# Altium PCB Module Board - OLD.PcbDoc (part 3 of 4) (continued)
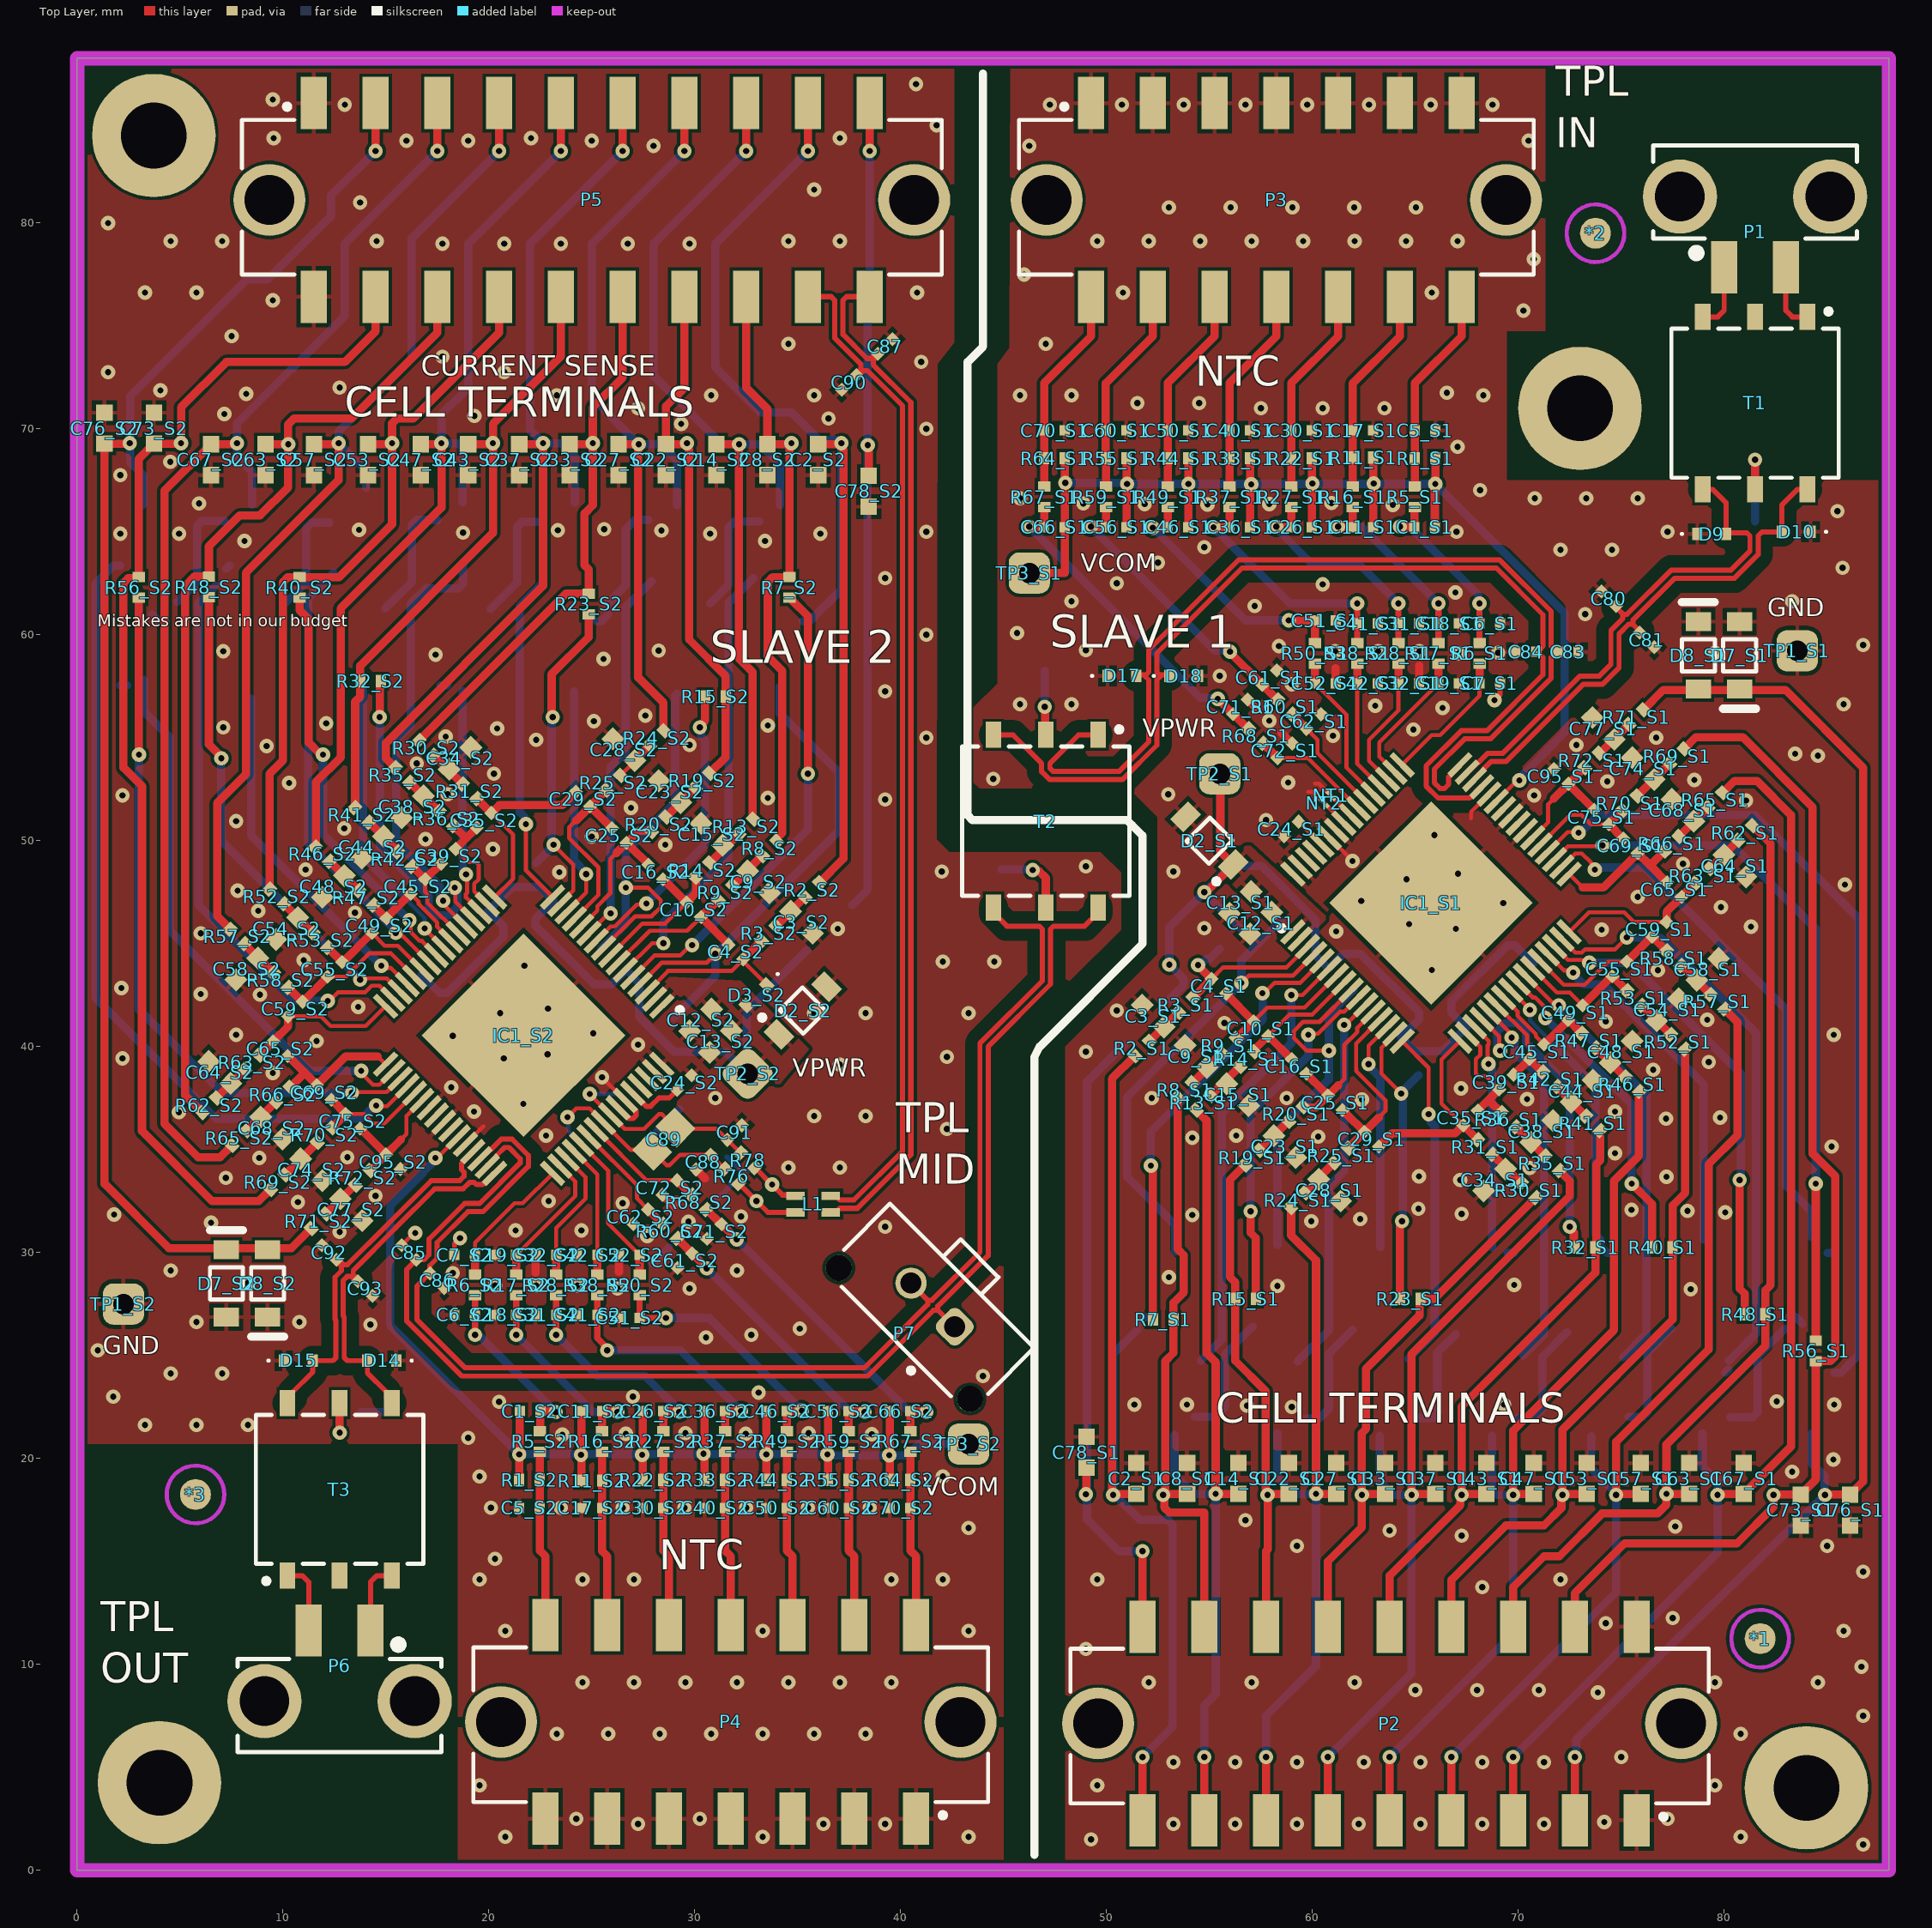
[diagram p0: Top Layer view]
## Nets (pads, with @x,y where several pads share a name; then routed paths per layer and width w, separated by ;. In a path a pad name is that pad's centre, name@x,y a point inside that pad or via, vN(x,y) a via of type N, cw(c..) or ccw(c..) an arc to the next point about the centre after c; other vN are vias at no path point) (continued)
  Top Layer w0.3: v1(23.269,26) C31_S2.2@23.269,26.975 ; C31_S2.2@23.269,26.979 23.269,27.47 R28_S2.2@23.269,27.92
  Top Layer w0.4: R27_S2.1@28.475,21.325 C26_S2.1@28.475,22.275 ; C26_S2.1@28.475,22.3 29.2,22.3 v1(29.25,22.25)
  Bottom Layer w0.4: v1(23.269,26) 25.269,24 27.581,24 29.25,22.331 v1(29.25,22.25)
NetC28_S1_2: C28_S1.2 R24_S1.1 R25_S1.2 | length 2
  Top Layer w0.2: C28_S1.2@60.398,33.46 C28_S1.2@60.398,33.497
  Top Layer w0.4: R24_S1.1@59.642,32.897 C28_S1.2@60.354,33.608 ; C28_S1.2@60.363,33.674 R25_S1.2@61.051,34.362
NetC28_S2_2: C28_S2.2 R24_S2.1 R25_S2.2 | length 2.1
  Top Layer w0.2: R25_S2.2@26.399,53.163 C28_S2.2@27.125,53.888
  Top Layer w0.4: R25_S2.2@26.399,53.163 R25_S2.2@26.399,53.182 ; C28_S2.2@27.096,53.917 R24_S2.1@27.808,54.629
NetC34_S1_2: C34_S1.2 R30_S1.1 R31_S1.2 | length 2.1
  Top Layer w0.4: R31_S1.2@68.739,34.769 C34_S1.2@69.458,34.05 ; C34_S1.2@69.38,34.055 69.452,34.055 70.129,33.379 R30_S1.1@70.146,33.379
NetC34_S2_2: C34_S2.2 R30_S2.1 R31_S2.2 | length 2.1
  Top Layer w0.4: R30_S2.1@17.304,54.146 17.321,54.146 17.998,53.47 C34_S2.2@18.07,53.47 ; C34_S2.2@17.992,53.475 R31_S2.2@18.711,52.756
NetC36_S1_1: C36_S1.1 C41_S1.2 R37_S1.1 R38_S1.2 | length 12.2
  Top Layer w0.3: R38_S1.2@62.181,59.605 62.181,60.055 C41_S1.2@62.181,60.546 ; C41_S1.2@62.181,60.55 v1(62.181,61.525)
  Top Layer w0.4: v1(55.2,65.225) C36_S1.1@55.975,65.225 ; C36_S1.1@55.975,65.25 R37_S1.1@55.975,66.2
  Bottom Layer w0.4: v1(55.2,65.225) 58.9,61.525 v1(62.181,61.525)
NetC36_S2_1: C36_S2.1 C41_S2.2 R37_S2.1 R38_S2.2 | length 12.3
  Top Layer w0.3: C41_S2.2@25.269,26.975 25.269,25.839 25.75,25.358 v1(25.75,25.25) ; C41_S2.2@25.269,26.979 25.269,27.47 R38_S2.2@25.269,27.92
  Top Layer w0.4: R37_S2.1@31.475,21.325 C36_S2.1@31.475,22.275 ; C36_S2.1@31.475,22.3 v1(32.25,22.3)
  Bottom Layer w0.4: v1(25.75,25.25) 29.3,25.25 v1(32.25,22.3)
NetC38_S1_2: C38_S1.2 R35_S1.1 R36_S1.2 | length 2
  Top Layer w0.4: R36_S1.2@69.879,36.096 70.409,35.566 70.586,35.389 71.116,34.859 ; R35_S1.1@71.116,34.859 R35_S1.1@71.293,34.682
NetC38_S2_2: C38_S2.2 R35_S2.1 R36_S2.2 | length 2
  Top Layer w0.4: R35_S2.1@16.157,52.843 16.334,52.666 16.864,52.136 17.041,51.959 R36_S2.2@17.571,51.429
NetC44_S1_2: C44_S1.2 R41_S1.1 R42_S1.2 | length 2
  Top Layer w0.4: R42_S1.2@71.886,38.057 71.886,38.026 72.568,37.344 C44_S1.2@72.568,37.309 ; C44_S1.2@72.591,37.309 72.591,37.298 73.26,36.629 R41_S1.1@73.271,36.629
NetC44_S2_2: C44_S2.2 R41_S2.1 R42_S2.2 | length 2
  Top Layer w0.4: R41_S2.1@14.179,50.896 14.19,50.896 14.859,50.227 C44_S2.2@14.859,50.216 ; C44_S2.2@14.882,50.216 14.882,50.181 15.564,49.499 R42_S2.2@15.564,49.468
NetC46_S1_1: C46_S1.1 C51_S1.2 R49_S1.1 R50_S1.2 | length 12.5
  Top Layer w0.4: v1(52.25,65.2) 52.263,65.213 52.963,65.213 C46_S1.1@52.975,65.225 R49_S1.1@52.975,66.2 ; v1(58.85,60.7) 58.854,60.696 C51_S1.2@60.129,60.697 60.125,60.693 R50_S1.2@60.125,59.605
  Bottom Layer w0.4: v1(52.25,65.2) 56.75,60.7 v1(58.85,60.7)
NetC46_S2_1: C46_S2.1 C51_S2.2 R49_S2.1 R50_S2.2 | length 12.6
  Top Layer w0.3: C51_S2.2@27.321,26.829 28.596,26.829 v1(28.6,26.825) ; C51_S2.2@27.325,26.832 R50_S2.2@27.325,27.92
  Top Layer w0.4: R49_S2.1@34.475,21.325 C46_S2.1@34.475,22.3 ; C46_S2.1@34.487,22.312 C46_S2.1@34.475,22.3 ; v1(35.2,22.325) 35.175,22.3 C46_S2.1@34.475,22.3
  Bottom Layer w0.4: v1(28.6,26.825) 30.7,26.825 v1(35.2,22.325)
NetC48_S1_2: C48_S1.2 R46_S1.1 R47_S1.2 | length 2
  Top Layer w0.4: R47_S1.2@73.766,39.946 73.766,39.931 74.458,39.24 C48_S1.2@74.472,39.24 ; C48_S1.2@74.5,39.212 74.5,39.198 75.167,38.531 R46_S1.1@75.181,38.531
NetC48_S2_2: C48_S2.2 R46_S2.1 R47_S2.2 | length 2
  Top Layer w0.4: R46_S2.1@12.269,48.994 12.283,48.994 12.95,48.327 C48_S2.2@12.95,48.313 ; C48_S2.2@12.978,48.285 12.992,48.285 13.684,47.594 R47_S2.2@13.684,47.579
NetC54_S1_2: C54_S1.2 R52_S1.1 R53_S1.2 | length 2
  Top Layer w0.4: R53_S1.2@75.986,42.007 C54_S1.2@76.727,41.266 ; C54_S1.2@76.733,41.26 76.733,41.257 77.397,40.593 R52_S1.1@77.4,40.593
NetC54_S2_2: C54_S2.2 R52_S2.1 R53_S2.2 | length 2
  Top Layer w0.4: R52_S2.1@10.05,46.932 10.053,46.932 10.717,46.268 C54_S2.2@10.717,46.265 ; C54_S2.2@10.723,46.259 R53_S2.2@11.464,45.518
NetC56_S1_1: C56_S1.1 C61_S1.2 R59_S1.1 R60_S1.2 | length 14.3
  Top Layer w0.4: v1(49.25,65.25) 49.275,65.225 C56_S1.1@49.975,65.225 R59_S1.1@49.975,66.2 ; v1(56,59.175) 56,59.143 C61_S1.2@57.571,57.571 ; C61_S1.2@57.579,57.571 R60_S1.2@58.304,56.846
  Bottom Layer w0.4: v1(49.25,65.25) 55.268,59.232 55.943,59.232 v1(56,59.175)
NetC56_S2_1: C56_S2.1 C61_S2.2 R59_S2.1 R60_S2.2 | length 14.3
  Top Layer w0.4: R60_S2.2@29.153,30.679 v1@30.579,29.254 ; R59_S2.1@37.475,21.325 C56_S2.1@37.475,22.3 38.2,22.3 v1(38.25,22.25)
  Bottom Layer w0.4: v1@30.604,29.204 37.5,22.307 38.193,22.307 v1(38.25,22.25)
  other v1: 30.579,29.229
NetC58_S1_2: C58_S1.2 R57_S1.1 R58_S1.2 | length 2
  Top Layer w0.4: R58_S1.2@77.904,43.946 78.629,43.221 C58_S1.2@78.67,43.221 78.67,43.201 79.318,42.553 R57_S1.1@79.318,42.532
NetC58_S2_2: C58_S2.2 R57_S2.1 R58_S2.2 | length 2
  Top Layer w0.4: R57_S2.1@8.132,44.993 8.132,44.972 8.78,44.325 C58_S2.2@8.78,44.304 8.821,44.304 R58_S2.2@9.546,43.579
NetC64_S1_2: C64_S1.2 R62_S1.1 R63_S1.2 | length 1.9
  Top Layer w0.4: R63_S1.2@79.304,48.654 79.323,48.654 79.955,49.286 C64_S1.2@79.955,49.305 ; C64_S1.2@79.995,49.338 80.011,49.338 80.675,50.002 R62_S1.1@80.675,50.018
NetC64_S2_2: C64_S2.2 R62_S2.1 R63_S2.2 | length 1.9
  Top Layer w0.4: R62_S2.1@6.775,37.507 6.775,37.523 7.439,38.187 C64_S2.2@7.455,38.187 ; C64_S2.2@7.455,38.22 7.475,38.22 8.127,38.871 R63_S2.2@8.146,38.871
NetC66_S1_1: C66_S1.1 C71_S1.2 R67_S1.1 R68_S1.2 | length 17
  Top Layer w0.4: v1(46.25,65.25) 46.275,65.225 C66_S1.1@46.975,65.225 R67_S1.1@46.975,66.2 ; 55.828,56.465 v1(55.409,56.884) 55.97,56.323 C71_S1.2@56.146,56.146 ; C71_S1.2@56.175,56.146 R68_S1.2@56.89,55.432
  Bottom Layer w0.4: v1(46.25,65.25) 54.559,56.941 55.351,56.941 v1(55.409,56.884)
NetC66_S2_1: C66_S2.1 C71_S2.2 R67_S2.1 R68_S2.2 | length 17.1
  Top Layer w0.4: R68_S2.2@30.56,32.093 C71_S2.2@31.275,31.379 ; C71_S2.2@31.303,31.379 31.48,31.202 v1(32.041,30.641) 31.622,31.06 ; R67_S2.1@40.475,21.325 C66_S2.1@40.475,22.3 41.2,22.3 v1(41.25,22.25)
  Bottom Layer w0.4: v1(32.041,30.641) 40.375,22.307 41.193,22.307 v1(41.25,22.25)
NetC68_S1_2: C68_S1.2 R65_S1.1 R66_S1.2 | length 2
  Top Layer w0.4: R66_S1.2@77.804,50.204 77.98,50.38 78.511,50.911 79.041,51.441 R65_S1.1@79.218,51.618
NetC68_S2_2: C68_S2.2 R65_S2.1 R66_S2.2 | length 2
  Top Layer w0.4: R65_S2.1@8.232,35.907 8.409,36.084 8.939,36.614 9.47,37.145 R66_S2.2@9.646,37.321
NetC74_S1_2: C74_S1.2 R69_S1.1 R70_S1.2 | length 2.2
  Top Layer w0.4: R70_S1.2@75.779,52.179 R69_S1.1@77.346,53.746
NetC74_S2_2: C74_S2.2 R69_S2.1 R70_S2.2 | length 2.2
  Top Layer w0.4: R69_S2.1@10.104,33.779 R70_S2.2@11.671,35.346
NetC77_S1_2: C77_S1.2 R71_S1.1 R72_S1.2 | length 2
  Top Layer w0.4: R72_S1.2@73.929,54.254 73.963,54.254 74.629,54.92 C77_S1.2@74.663,54.92 74.663,54.929 75.371,55.637 R71_S1.1@75.371,55.647
NetC77_S2_2: C77_S2.2 R71_S2.1 R72_S2.2 | length 2
  Top Layer w0.4: R71_S2.1@12.079,31.879 12.079,31.888 12.777,32.587 C77_S2.2@12.787,32.587 ; C77_S2.2@12.787,32.605 12.821,32.605 13.487,33.271 R72_S2.2@13.521,33.271
NetC82_2: C82.2 R74.1 | length 1
  Bottom Layer w0.4: C82.2@81.5,65.5 R74.1@81.5,66.5
NetC88_2: C88.2 C89.2 IC1_S2.56 R76.2 R94.2 | length 11
  Top Layer w0.2: v1(23.816,36.576) 24.24,37 24.887,37 IC1_S2.56@25.568,36.319 26.9,34.987 27.881,34.987 C89.2@27.934,34.934 28.624,34.244 28.79,34.244 29.289,34.743 C88.2@30.774,34.743 31.263,34.254 31.263,34.237 R76.2@31.44,34.06
  Bottom Layer w0.2: v1(23.816,36.576) 23.867,36.526 23.867,35.899 R94.2@24.508,35.258
NetC89_1: C89.1 C91.2 IC1_S2.57 R78.2 R95.2 | length 11
  Top Layer w0.2: v1(24.9,37.7) 24.9,37.694 IC1_S2.57@25.922,36.672 26.594,36 27.53,36 28.248,36.718 28.414,36.718 C89.1@29.066,36.066 ; C89.1@29.066,36.013 31.043,36.013 C91.2@31.581,35.474 32.041,35.015 R78.2@32.218,34.838
  Bottom Layer w0.2: v1(24.9,37.7) 26.308,37.7 26.417,37.591 R95.2@26.629,37.379 R95.2@26.588,37.379
NetC94_2: C94.2 R79.1 | length 1
  Bottom Layer w0.4: R79.1@13.8,22.25 C94.2@14.8,22.25
NetD11_2: D11.2 D12.2 | length 1.1
  Bottom Layer w0.4: D12.2@27.968,29.459 28.29,29.781 28.29,29.79 D11.2@28.744,30.244
NetD13_2: D13.2 D16.2 | length 1.6
  Bottom Layer w0.4: D16.2@28.156,35.856 28.478,36.178 28.478,36.19 D13.2@29.244,36.956
NetIC1_S1_56: IC1_S1.56 NT1.1 | length 1.2
  Top Layer w0.2: NT1.1@61.043,52.045 IC1_S1.56@61.882,51.206
NetIC1_S1_57: IC1_S1.57 NT2.1 | length 1.2
  Top Layer w0.2: NT2.1@60.7,51.7 61.007,51.393 61.007,51.374 IC1_S1.57@61.528,50.853
NetR74_2: R74.2 T1.5 | length 2.4
  Top Layer w0.4: T1.5@81.5,67.06 v1(81.5,68.5)
  Bottom Layer w0.4: R74.2@81.5,67.5 v1(81.5,68.5)
NetR75_1: R75.1 T2.2 | length 3.1
  Top Layer w0.4: v1(47,56.5) 47.025,56.475 47.025,55.165 T2.2@47.05,55.14
  Bottom Layer w0.4: v1(47,56.5) 47,57.95 R75.1@47,58.25
NetR77_2: R77.2 T2.5 | length 3.8
  Top Layer w0.4: v1(46.417,48.576) 46.474,48.519 46.729,48.519 47.05,48.197 T2.5@47.05,46.76
  Bottom Layer w0.4: R77.2@44.9,48.6 46.393,48.6 v1(46.417,48.576)
NetR79_2: R79.2 T3.5 | length 2.4
  Top Layer w0.4: v1(12.75,21.25) T3.5@12.75,22.69
  Bottom Layer w0.4: v1(12.75,21.25) R79.2@12.75,22.25
RDTX_IN_S1_N: C81.2 D10.2 IC1_S1.46 T1.6 | length 25
  Top Layer w0.247: IC1_S1.46@67.875,52.974 67.875,53.011 68.328,53.464 68.328,53.499 68.681,53.853 69.415,53.853 73.165,57.603 74.103,57.603 74.897,58.397 74.897,60.048 75.36,60.511 75.565,60.511 ; C81.2@75.896,60.104 75.896,60.179 75.565,60.511 ; T1.6@84.04,67.06 83.56,67.06 82.8,66.3 D10.2@82.8,65 81.844,65 81.649,64.805 81.649,63.899 80.5,62.75 77.599,62.75 75.565,60.716 75.565,60.511
RDTX_IN_S1_P: C80.2 D9.2 IC1_S1.47 T1.4 | length 24.7
  Top Layer w0.247: IC1_S1.47@67.521,53.328 67.559,53.328 68.011,53.78 68.047,53.78 68.516,54.25 69.25,54.25 73,58 73.938,58 74.5,58.562 74.5,60.213 75.079,60.792 75.079,60.997 ; C80.2@74.748,61.404 74.748,61.328 75.079,60.997 ; T1.4@78.96,67.06 79.44,67.06 80.1,66.4 D9.2@80.1,64.9 80.15,64.95 81.106,64.95 81.251,64.805 81.251,64.063 80.335,63.147 77.435,63.147 75.284,60.997 75.079,60.997
RDTX_IN_S2_N: C86.2 IC1_S2.46 P7.2 T2.4 | length 65.5
  Top Layer w0.247: IC1_S2.46@19.575,34.551 19.612,34.551 20.065,35.004 20.1,35.004 20.6,35.503 21.134,35.503 21.917,34.721 21.917,34.186 19.715,31.984 18.986,31.984 17.489,30.487 17.489,29.721 17.133,29.365 C86.2@17.133,28.992 16.5,28.36 16.5,26.75 18.853,24.397 38.238,24.397 41.318,27.477 41.318,27.682 ; P7.2@40.5,28.5 41.318,27.682 ; T2.4@44.51,46.76 44.51,46.505 45.164,45.851 46.738,45.851 46.882,45.706 46.882,43.195 43.853,40.165 43.853,30.012 41.523,27.682 41.318,27.682
RDTX_IN_S2_P: C85.2 IC1_S2.47 P7.1 T2.6 | length 66.1
  Top Layer w0.247: IC1_S2.47@19.928,34.197 19.928,34.235 20.381,34.687 20.381,34.722 20.764,35.106 20.969,35.106 21.519,34.556 21.519,34.351 19.55,32.382 18.821,32.382 17.091,30.652 17.091,29.886 16.852,29.646 C85.2@16.479,29.646 16,29.168 16,26.688 18.688,24 38.402,24 41.599,27.196 41.804,27.196 ; P7.1@42.621,26.379 41.804,27.196 ; T2.6@49.59,46.76 49.59,46.505 48.936,45.851 47.425,45.851 47.28,45.706 47.28,43.03 44.25,40 44.25,29.848 41.804,27.401 41.804,27.196
RDTX_OUT_S1_N: C84.2 D18.1 IC1_S1.45 T2.3 | length 51
  Top Layer w0.247: T2.3@44.51,55.14 45.461,55.14 46.851,53.75 46.851,53.355 47.229,52.977 50.789,52.977 52.449,54.637 52.449,57.804 52.594,57.949 ; D18.1@53.05,58 52.999,58.051 52.594,58.051 52.449,58.196 52.449,59.105 56.594,63.25 68.925,63.25 71.201,60.974 71.201,59.446 71.056,59.301 71.001,59.301 C84.2@70.875,59.175 71.001,59.049 71.056,59.049 71.201,58.904 71.201,58.059 68.484,55.342 67.23,55.342 65.525,53.637 65.525,52.653 66.106,52.073 67.644,52.073 68.191,52.621 IC1_S1.45@68.229,52.621
RDTX_OUT_S1_P: C83.1 D17.2 IC1_S1.48 T2.1 | length 49.8
  Top Layer w0.247: T2.1@49.59,55.14 48.639,55.14 47.249,53.75 47.249,53.519 47.394,53.374 50.624,53.374 52.051,54.801 52.051,57.804 51.906,57.949 ; D17.2@51.501,57.949 D17.2@51.45,58 51.501,58.051 51.906,58.051 52.051,58.196 52.051,59.269 52.301,59.519 52.426,59.644 52.801,60.019 56.43,63.647 69.09,63.647 71.599,61.138 71.599,59.446 71.744,59.301 71.799,59.301 C83.1@71.925,59.175 71.799,59.049 71.744,59.049 71.599,58.904 71.599,57.895 68.649,54.945 67.395,54.945 65.922,53.472 65.922,52.818 66.205,52.535 66.41,52.535 66.62,52.745 66.62,53.096 67.168,53.644 IC1_S1.48@67.168,53.681
RDTX_OUT_S2_N: C92.2 D15.2 IC1_S2.45 T3.6 | length 18.3
  Top Layer w0.247: T3.6@10.21,22.69 10.466,22.946 10.466,23.216 11.45,24.2 D15.2@11.45,24.75 ; D15.2@11.45,24.75 12.431,24.75 12.576,24.895 12.576,26.703 12.524,26.755 12.524,28.805 12.837,29.118 12.837,29.323 12.604,29.556 C92.2@12.604,29.647 12.694,29.647 12.927,29.413 13.132,29.413 15.059,31.34 15.059,31.346 17.202,33.489 18.586,33.489 18.794,33.697 18.794,33.902 18.674,34.022 18.674,34.32 19.221,34.867 IC1_S2.45@19.221,34.904
RDTX_OUT_S2_P: C93.2 D14.2 IC1_S2.48 T3.4 | length 18
  Top Layer w0.247: T3.4@15.29,22.69 15.034,22.946 15.034,23.216 14.1,24.15 D14.2@14.1,24.75 13.119,24.75 12.974,24.895 12.974,26.868 12.922,26.92 12.922,28.641 13.118,28.837 13.323,28.837 13.556,28.604 C93.2@13.646,28.604 13.646,28.694 13.413,28.927 13.413,29.132 15.457,31.176 15.457,31.182 17.367,33.092 18.75,33.092 19.075,33.416 19.28,33.416 19.4,33.296 19.697,33.296 20.245,33.844 IC1_S2.48@20.282,33.844
S1_CELL1: C73_S1.2 P2.11 R56_S1.2 R69_S1.2 | length 56.7
  Top Layer w0.4: P2.11@72.75,12.83 72.75,13.465 75.16,15.875 80.625,15.875 82.4,17.65 v1(82.4,18.225) ; R69_S1.2@78.054,54.454 78.625,55.025 80.9,55.025 84.3,51.625 84.3,34.8 85.4,33.7 85.4,24.959 85.166,24.725 R56_S1.2@84.45,24.725 84.45,18.975 C73_S1.2@83.718,18.243 v1@82.418,18.243
S1_CELL2: C67_S1.2 P2.3 R65_S1.2 R87_S1.1 R88_S1.1 R89_S1.1 R90_S1.1 | length 68.5
  Top Layer w0.4: P2.3@69.75,3.43 69.75,4.35 v1(69.75,5.5) ; v1(79.683,18.225) 79.733,18.275 C67_S1.2@80.95,18.275 83.25,20.575 83.25,51.25 81.6,52.9 80.5,52.9 R65_S1.2@79.925,52.325
  Bottom Layer w0.4: v1(69.75,5.5) 79.683,15.433 v1(79.683,18.225) 79.683,18.877 78.95,19.61 78.95,21.214 ; 80.3,22 81.391,22 81.625,22.234 81.625,24.975 82.95,26.3 ; R89_S1.1@83.15,26.873 83.475,26.873 R89_S1.1@83.8,26.548
S1_CELL3: C63_S1.2 P2.12 R48_S1.2 R62_S1.2 | length 46.6
  Top Layer w0.4: P2.12@69.75,12.83 69.75,13.75 71.25,15.25 72,15.25 74.075,17.325 76.761,17.325 77.184,17.748 77.184,18.259 v1(77.2,18.275) ; C63_S1.2@78.3,18.275 v1(77.2,18.275) ; R62_S1.2@81.382,50.733 82.25,49.865 82.25,28.415 82,28.165 82,25.475 77.2,20.675 v1(77.2,18.275)
S1_CELL4: C57_S1.2 P2.4 R57_S1.2 R83_S1.1 R84_S1.1 R85_S1.1 R86_S1.1 | length 54.3
  Top Layer w0.4: P2.4@66.75,3.43 66.75,4.35 v1(66.75,5.5) ; C57_S1.2@75.95,18.275 74.8,18.275 v1(74.75,18.225) 74.75,20.8 79.25,25.3 79.25,34.3 80.65,35.7 80.65,41.182 R57_S1.2@80.024,41.808
  Bottom Layer w0.4: v1(66.75,5.5) 74.75,13.5 v1(74.75,18.225) ; 73.55,21.075 73.55,19.506 v1@74.693,18.364 ; 75.363,22.025 76.041,22.025 76.275,22.259 76.275,25.148 77.438,26.312
S1_CELL5: C53_S1.2 P2.13 R40_S1.2 R52_S1.2 | length 34.1
  Top Layer w0.4: P2.13@66.75,12.83 66.75,14.1 69.4,16.75 71.25,16.75 72.093,17.593 72.093,18.168 v1(72.15,18.225) ; C53_S1.2@73.32,18.275 72.2,18.275 v1(72.15,18.225) ; R52_S1.2@78.107,39.886 78.072,39.851 78.072,39.78 78.107,39.745 78.107,32.897 77.5,32.29 R40_S1.2@77.5,30.25 77.5,26.75 72.15,21.4 v1(72.15,18.225)
S1_CELL6: C47_S1.2 P2.5 R46_S1.2 R73_S1.1 R80_S1.1 R81_S1.1 R82_S1.1 | length 49.8
  Top Layer w0.4: P2.5@63.75,3.43 v1(63.75,5.5) ; v1(69.75,18.225) 69.75,21.347 74.65,26.247 74.65,33.484 75.852,34.686 75.852,37.789 R46_S1.2@75.888,37.824 ; v1@69.8,18.275 C47_S1.2@70.75,18.275
  Bottom Layer w0.4: v1(63.75,5.5) 69.75,11.5 v1(69.75,18.225) 68.959,18.225 68.725,18.459 68.725,21.1 ; 69.95,21.95 70.7,21.95 71.175,22.425 71.175,24.939 72.368,26.132
S1_CELL7: C43_S1.2 P2.14 R32_S1.2 R41_S1.2 | length 28.6
  Top Layer w0.4: P2.14@63.75,12.83 63.75,14.1 63.75,14.3 67.193,17.743 67.193,18.168 v1(67.25,18.225) ; C43_S1.2@68.45,18.275 67.3,18.275 v1(67.25,18.225) ; R41_S1.2@73.979,35.921 73.943,35.886 73.943,35.815 73.979,35.78 73.979,34.479 73.785,34.285 73.785,30.285 R32_S1.2@73.75,30.25 73.75,29.023 67.25,22.523 v1(67.25,18.225)
S1_CELL8: C37_S1.2 P2.6 R35_S1.2 R45_S1.1 R51_S1.1 R54_S1.1 R61_S1.1 | length 46.1
  Top Layer w0.4: P2.6@60.75,3.43 v1(60.75,5.5) ; C37_S1.2@65.975,18.275 64.868,18.275 v1(64.818,18.225) 64.818,25.068 72.5,32.75 72.5,33.475 R35_S1.2@72,33.975
  Bottom Layer w0.4: v1(60.75,5.5) 64.818,9.568 v1(64.818,18.225) 63.925,18.225 63.275,18.875 63.275,21.1 ; 65.1,21.95 65.841,21.95 66.075,22.184 66.075,25.15 66.963,26.037
S1_CELL9: C33_S1.2 P2.15 R23_S1.2 R30_S1.2 | length 25.2
  Top Layer w0.4: P2.15@60.75,12.83 60.75,15 62.4,16.65 v1(62.4,18.225) 62.45,18.275 C33_S1.2@63.525,18.275 ; v1@62.4,18.559 62.4,21.23 62.6,21.43 62.6,24.35 65.2,26.95 65.2,27.7 R23_S1.2@65.25,27.75 65.932,27.75 R30_S1.2@70.854,32.671
S1_CELL10: C27_S1.2 P2.7 R24_S1.2 R29_S1.1 R34_S1.1 R39_S1.1 R43_S1.1 | length 41.3
  Top Layer w0.4: P2.7@57.75,3.43 57.75,4.35 v1(57.75,5.5) ; R24_S1.2@58.935,32.189 58.97,32.154 58.97,30.83 60.175,29.625 v1(60.175,18.275) C27_S1.2@61.15,18.275
  Bottom Layer w0.4: v1(57.75,5.5) 57.75,7.5 60.175,9.925 v1(60.175,18.275) ; 58.3,21.22 58.3,19.075 59.1,18.275 v1(60.175,18.275) ; 59.7,21.937 60.337,21.937 60.8,22.4 60.8,25.1 61.95,26.25 ; v1@60.25,18.275 v1(60.175,18.275)
S1_CELL11: C22_S1.2 P2.16 R15_S1.2 R19_S1.2 | length 23.3
  Top Layer w0.4: R19_S1.2@56.725,34.25 56,33.525 56,28.805 56.25,28.555 56.25,24.75 57.725,23.275 57.725,18.537 v1@57.768,18.495 ; P2.16@57.75,12.83 57.75,15.5 57.825,15.575 v1(57.825,18.225) 57.875,18.275 C22_S1.2@58.85,18.275
S1_CELL12: C14_S1.2 P2.8 R12_S1.1 R13_S1.2 R18_S1.1 R21_S1.1 R26_S1.1 | length 45.7
  Top Layer w0.4: R13_S1.2@54.354,36.919 54.862,36.41 54.862,25.113 55.3,24.675 v1(55.3,18.275) C14_S1.2@56.4,18.275 ; P2.8@54.75,3.43 54.75,4.35 v1(54.75,5.5)
  Bottom Layer w0.4: 53.3,21.137 53.3,19.2 54.225,18.275 v1(55.3,18.275) ; 54.3,22.025 55.291,22.025 55.75,22.484 55.75,25.05 R21_S1.1@57.099,26.399 ; v1(54.75,5.5) 54.75,8 55.3,8.55 v1(55.3,18.275) ; v1@55.375,18.275 v1(55.3,18.275)
S1_CELL13: C8_S1.2 P2.17 R7_S1.2 R8_S1.2 | length 28.1
  Top Layer w0.4: v1@52.8,18.275 C8_S1.2@53.919,18.275 ; v1@52.807,18.364 52.807,17.618 53.05,17.375 54.75,17.375 54.75,14.1 P2.17@54.75,12.83 ; v1@52.85,18.406 52.85,24.725 53.25,25.125 R7_S1.2@53.25,26.75 53.25,27.555 53.75,28.055 53.75,29.875 53.462,30.163 53.462,37.398 53.498,37.434 53.498,37.494 R8_S1.2@53.462,37.529
  other v1: 52.75,18.225
S1_CELL14: C2_S1.2 P2.9 R2_S1.2 R4_S1.1 R10_S1.1 | length 49.4
  Top Layer w0.4: R2_S1.2@51.383,39.555 50.268,38.44 50.268,18.282 v1(50.325,18.225) 50.375,18.275 C2_S1.2@51.45,18.275 ; P2.9@51.75,3.43 51.75,4.35 v1(51.75,5.5)
  Bottom Layer w0.4: v1(50.325,18.225) 50.325,25.075 51.5,26.25 ; v1@50.556,18.075 51.606,17.025 52.966,17.025 53.2,16.791 53.2,6.95 v1(51.75,5.5) ; R4_S1.1@51.55,26.548 51.875,26.873 R4_S1.1@52.2,26.873
S1_NTC0: C5_S1.2 P3.14 R1_S1.2 R5_S1.2 | length 10.2
  Top Layer w0.4: R5_S1.2@64.975,67.2 64.975,68.275 R1_S1.2@64.975,68.575 C5_S1.2@64.975,69.925 64.975,72.225 67.25,74.5 P3.14@67.25,76.42
S1_NTC1: C17_S1.2 P3.13 R11_S1.2 R16_S1.2 | length 10.2
  Top Layer w0.4: R16_S1.2@61.95,67.2 R11_S1.2@61.95,68.6 C17_S1.2@61.95,69.925 61.95,72.2 64.25,74.5 P3.13@64.25,76.42
S1_NTC2: C30_S1.2 P3.12 R22_S1.2 R27_S1.2 | length 10.2
  Top Layer w0.4: R27_S1.2@58.975,67.2 58.975,67.45 R22_S1.2@58.975,68.575 58.975,69.675 C30_S1.2@58.975,69.925 58.975,72.225 61.25,74.5 P3.12@61.25,76.42
S1_NTC3: C40_S1.2 P3.11 R33_S1.2 R37_S1.2 | length 10
  Top Layer w0.4: R33_S1.2@55.975,68.575 C40_S1.2@55.975,69.925 55.975,72.225 58.25,74.5 P3.11@58.25,76.25 ; R37_S1.2@55.975,67.2 R33_S1.2@55.975,68.575
S1_NTC4: C50_S1.2 P3.10 R44_S1.2 R49_S1.2 | length 10.2
  Top Layer w0.4: R49_S1.2@52.975,67.2 R44_S1.2@52.975,68.575 52.975,69.675 C50_S1.2@52.975,69.925 52.975,72.225 55.25,74.5 P3.10@55.25,76.42
S1_NTC5: C60_S1.2 P3.9 R55_S1.2 R59_S1.2 | length 9.9
  Top Layer w0.4: R55_S1.2@49.962,68.588 C60_S1.2@49.962,69.925 49.962,72.212 52.25,74.5 P3.9@52.25,76.42 ; R59_S1.2@49.975,67.2 49.975,68.275
S1_NTC6: C70_S1.2 P3.8 R64_S1.2 R67_S1.2 | length 10.2
  Top Layer w0.4: R67_S1.2@46.975,67.2 R64_S1.2@46.975,68.575 46.975,69.675 C70_S1.2@46.975,69.925 46.975,72.225 49.25,74.5 P3.8@49.25,76.42
S1_VBAT: C78_S1.2 P2.18 R93_S1.1 | length 31
  Top Layer w0.4: v1@49.025,18.291 C78_S1.2@49.025,19.55 ; P2.18@51.75,12.83 51.75,14.1 v1(51.75,15.5)
  Bottom Layer w0.4: R93_S1.1@50.848,40.072 49.05,38.274 49.05,17.05 50.6,15.5 v1(51.75,15.5)
  other v1: 49,18.266
S2_CELL1: C73_S2.2 P5.12 R56_S2.2 R69_S2.2 | length 58.2
  Top Layer w0.4: v1@5.032,69.282 C73_S2.2@3.732,69.282 3,68.55 R56_S2.2@3,62.8 2.95,62.75 2.484,62.75 2.25,62.516 2.25,53.55 3.15,52.65 3.15,35.9 6.55,32.5 8.825,32.5 R69_S2.2@9.396,33.071 ; v1(5.05,69.3) 5.05,71.05 7.25,73.25 13,73.25 14.5,74.75 P5.12@14.5,76.42
S2_CELL2: C67_S2.2 P5.3 R65_S2.2 R87_S2.1 R88_S2.1 R89_S2.1 R90_S2.1 | length 69.5
  Top Layer w0.4: R65_S2.2@7.525,35.2 6.95,34.625 5.875,34.625 4.243,36.257 4.243,66.993 C67_S2.2@6.5,69.25 7.717,69.25 v1(7.767,69.3) ; v1(17.5,83.5) 17.5,84.55 P5.3@17.5,85.82
  Bottom Layer w0.4: R89_S2.1@3.65,60.977 3.975,60.652 R89_S2.1@4.3,60.652 ; 4.875,61.6 5.825,62.55 5.825,65.291 6.059,65.525 7.15,65.525 ; 8.5,66.311 8.5,67.915 7.767,68.648 v1(7.767,69.3) 7.767,70.267 13,75.5 13,79 v1(17.5,83.5)
S2_CELL3: C63_S2.2 P5.13 R48_S2.2 R62_S2.2 | length 48.8
  Top Layer w0.4: R62_S2.2@6.068,36.8 5.25,37.618 5.25,62.375 5.7,62.825 R48_S2.2@6.4,62.825 ; R48_S2.2@6.45,62.825 R48_S2.2@6.4,62.825 ; C63_S2.2@9.15,69.25 v1(10.25,69.25) ; P5.13@17.5,76.42 17.5,74.675 13.325,70.5 10.534,70.5 10.25,70.216 v1(10.25,69.25) ; R48_S2.2@6.4,62.825 6.4,64.3 7.9,65.8 8.889,65.8 10.25,67.161 v1(10.25,69.25)
S2_CELL4: C57_S2.2 P5.4 R57_S2.2 R83_S2.1 R84_S2.1 R85_S2.1 R86_S2.1 | length 55.4
  Top Layer w0.4: R57_S2.2@7.425,45.717 6.8,46.343 6.8,51.825 8.2,53.225 8.2,63.011 12.7,67.511 v1(12.7,69.3) 12.65,69.25 C57_S2.2@11.5,69.25 ; v1(20.5,83.5) 20.5,84.55 P5.4@20.5,85.82
  Bottom Layer w0.4: 10.038,61.462 11.125,62.55 11.125,65.175 11.4,65.45 12.25,65.45 ; 14.03,67.141 14.03,67.97 v1(12.7,69.3) 12.7,69.875 16.25,73.425 16.25,79.25 v1(20.5,83.5)
S2_CELL5: C53_S2.2 P5.14 R40_S2.2 R52_S2.2 | length 36.5
  Top Layer w0.4: R52_S2.2@9.343,47.639 9.343,53.243 10,53.9 10,62.566 10.234,62.8 R40_S2.2@10.8,62.8 12.731,62.8 15.3,65.369 v1(15.3,69.3) ; C53_S2.2@14.13,69.25 15.25,69.25 v1(15.3,69.3) ; P5.14@20.5,76.42 20.5,74.675 16.325,70.5 15.534,70.5 15.3,70.266 v1(15.3,69.3)
S2_CELL6: C47_S2.2 P5.5 R46_S2.2 R73_S2.1 R80_S2.1 R81_S2.1 R82_S2.1 | length 51.7
  Top Layer w0.4: R46_S2.2@11.562,49.701 11.598,49.736 11.598,52.839 12.8,54.041 12.8,61.278 17.7,66.178 v1(17.7,69.3) ; C47_S2.2@16.7,69.25 v1@17.65,69.25 ; v1(23.5,83.5) P5.5@23.5,85.82
  Bottom Layer w0.4: 14.969,61.281 16.275,62.586 16.275,65.341 16.509,65.575 17.5,65.575 ; 18.725,66.425 18.725,69.066 18.491,69.3 v1(17.7,69.3) 17.7,70.7 19,72 19,79 v1(23.5,83.5)